# Altium PCB PCB1.PcbDoc (part 1 of 2) (continued)
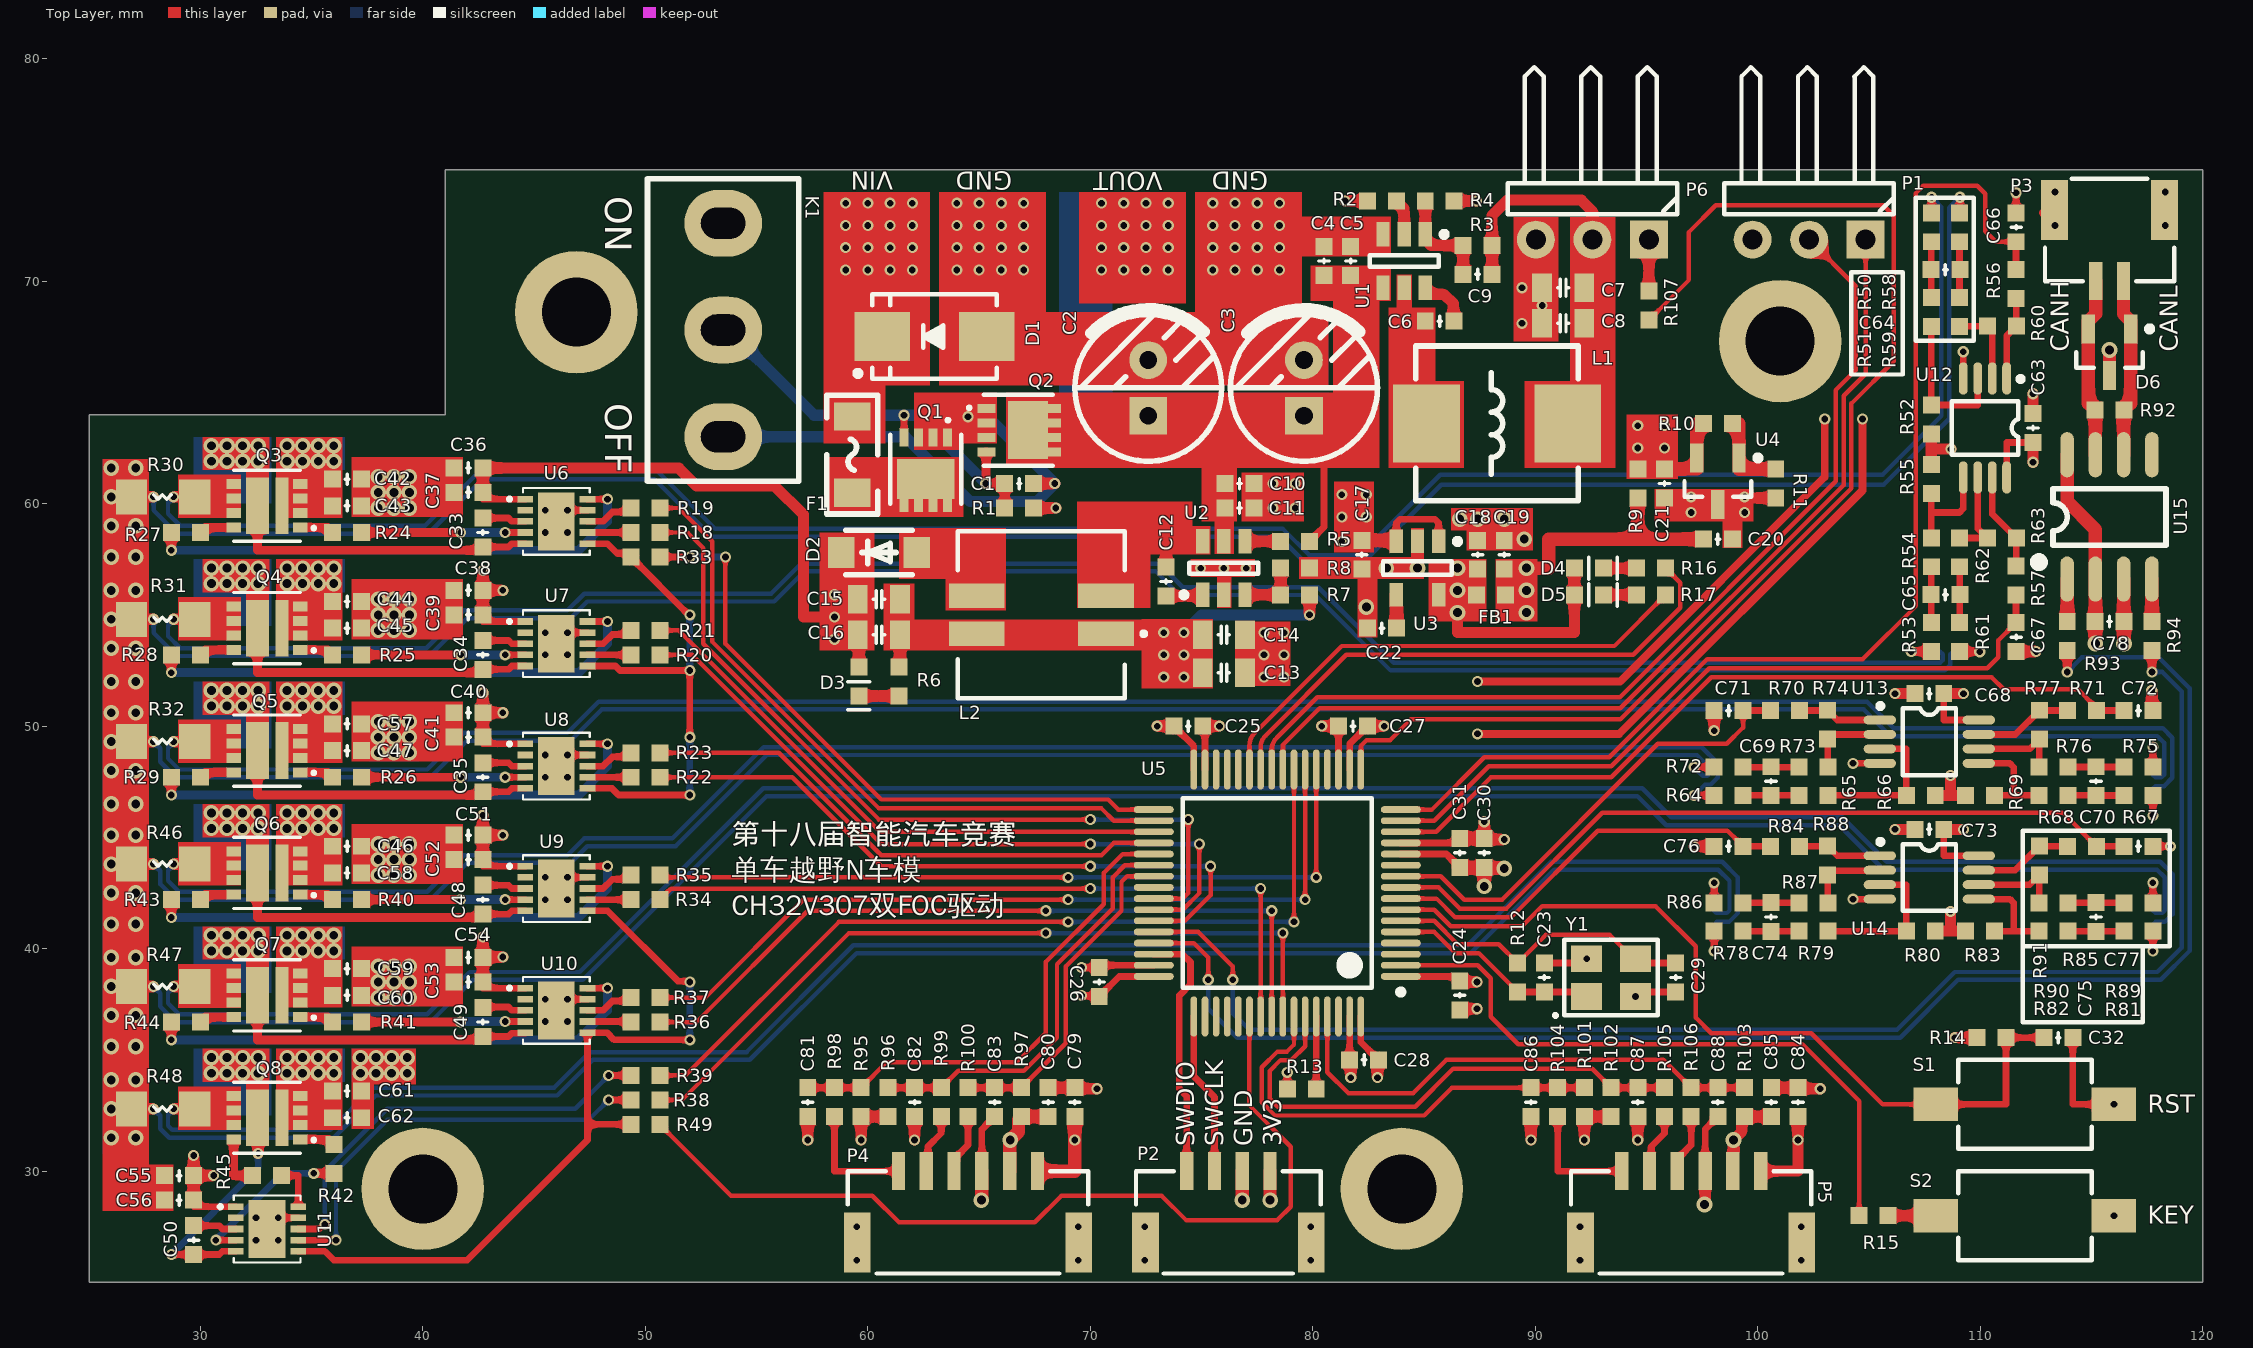
[diagram p0: Top Layer view]
## Components (designator, comment, footprint, x,y, rotation, side; value= is the part's Value field where it differs from the comment) (continued)
R3 "100K/1%" R0603_NS 87.4,71.6 r0 top
R4 "11K/1%" R0603_NS 85.7,73.6 r0 top
R5 "100K" R0603_NS 79.2,58.3 r0 top
R6 "1K" R0603_NS 61.4,52 r90 top
R7 "10.5K/1%" R0603_NS 79.2,55.9 r0 top
R8 "2K/1%" R0603_NS 79.2,57.1 r0 top
R9 "100R" R0603_NS 94.6,60.9 r270 top
R10 "4.12K/1%" R0603_NS 98.2,63.6 r0 top
R11 "12.4K/1%" R0603_NS 100.8,60.9 r90 top
R12 "1M" R0603_NS 89.2,38.7 r270 top
R13 "10K" R0603_NS 79.5,33.7 r180 top
R14 "10K" R0603_NS 110.5,36 r0 top
R15 "1K" R0603_NS 105.2,28 r180 top
R16 "1K" R0603_NS 95.2,57.1 r0 top
R17 "1K" R0603_NS 95.2,55.9 r0 top
R18 "100R" R0603_NS 50,58.7 r180 top
R19 "100R" R0603_NS 50,59.8 r180 top
R20 "100R" R0603_NS 50,53.2 r180 top
R21 "100R" R0603_NS 50,54.3 r180 top
R22 "100R" R0603_NS 50,47.7 r180 top
R23 "100R" R0603_NS 50,48.8 r180 top
R24 "4R7" R0603_NS 36.6,58.7 r180 top
R25 "4R7" R0603_NS 36.6,53.2 r180 top
R26 "4R7" R0603_NS 36.6,47.7 r180 top
R27 "4R7" R0603_NS 29.35,58.7 r0 top
R28 "4R7" R0603_NS 29.35,53.2 r0 top
R29 "4R7" R0603_NS 29.35,47.7 r0 top
R30 "5mΩ/1%" R1206_NS 28.3,60.3 r0 top value=15mΩ
R31 "5mΩ/1%" R1206_NS 28.3,54.8 r0 top value=15mΩ
R32 "5mΩ/1%" R1206_NS 28.3,49.3 r0 top value=15mΩ
R33 "100R" R0603_NS 50,57.6 r180 top
R34 "100R" R0603_NS 50,42.2 r180 top
R35 "100R" R0603_NS 50,43.3 r180 top
R36 "100R" R0603_NS 50,36.7 r180 top
R37 "100R" R0603_NS 50,37.8 r180 top
R38 "100R" R0603_NS 50,33.2 r180 top
R39 "100R" R0603_NS 50,34.3 r180 top
R40 "4R7" R0603_NS 36.6,42.2 r180 top
R41 "4R7" R0603_NS 36.6,36.7 r180 top
R42 "4R7" R0603_NS 36,30.55 r90 top
R43 "4R7" R0603_NS 29.35,42.2 r0 top
R44 "4R7" R0603_NS 29.35,36.7 r0 top
R45 "4R7" R0603_NS 33,29.8 r180 top
R46 "5mΩ/1%" R1206_NS 28.3,43.8 r0 top value=15mΩ
R47 "5mΩ/1%" R1206_NS 28.3,38.3 r0 top value=15mΩ
R48 "5mΩ/1%" R1206_NS 28.3,32.8 r0 top value=15mΩ
R49 "100R" R0603_NS 50,32.1 r180 top
R50 "1K/1%" R0603_NS 107.79,72.415 r270 top
R51 "1K/1%" R0603_NS 107.79,68.605 r270 top
R52 "100K/1%" R0603_NS 107.79,63.779 r270 top
R53 "1K/1%" R0603_NS 107.79,54 r90 top
R54 "1K/1%" R0603_NS 107.79,57.81 r90 top
R55 "100K/1%" R0603_NS 107.79,61.112 r90 top
R56 "100R" R0603_NS 111.6,69.875 r90 top
R57 "100R" R0603_NS 111.6,56.54 r270 top
R58 "1K/1%" R0603_NS 109.06,72.415 r270 top
R59 "1K/1%" R0603_NS 109.06,68.605 r270 top
R60 "100K/1%" R0603_NS 110.965,67.97 r0 top
R61 "1K/1%" R0603_NS 109.06,54 r90 top
R62 "1K/1%" R0603_NS 109.06,57.81 r90 top
R63 "100K/1%" R0603_NS 110.965,58.445 r0 top
R64 "1K/1%" R0603_NS 98.683,46.887 r0 top
R65 "1K/1%" R0603_NS 102.493,46.887 r0 top
R66 "100K/1%" R0603_NS 107.319,46.887 r0 top
R67 "1K/1%" R0603_NS 117.098,46.887 r180 top
R68 "1K/1%" R0603_NS 113.288,46.887 r180 top
R69 "100K/1%" R0603_NS 109.986,46.887 r180 top
R70 "100R" R0603_NS 101.223,50.697 r180 top
R71 "100R" R0603_NS 114.558,50.697 r0 top
R72 "1K/1%" R0603_NS 98.683,48.157 r0 top
R73 "1K/1%" R0603_NS 102.493,48.157 r0 top
R74 "100K/1%" R0603_NS 103.128,50.062 r90 top
R75 "1K/1%" R0603_NS 117.098,48.157 r180 top
R76 "1K/1%" R0603_NS 113.288,48.157 r180 top
R77 "100K/1%" R0603_NS 112.653,50.062 r90 top
R78 "1K/1%" R0603_NS 98.683,40.787 r0 top
R79 "1K/1%" R0603_NS 102.493,40.787 r0 top
R80 "100K/1%" R0603_NS 107.319,40.787 r0 top
R81 "1K/1%" R0603_NS 117.098,40.787 r180 top
R82 "1K/1%" R0603_NS 113.288,40.787 r180 top
R83 "100K/1%" R0603_NS 109.986,40.787 r180 top
R84 "100R" R0603_NS 101.223,44.597 r180 top
R85 "100R" R0603_NS 114.558,44.597 r0 top
R86 "1K/1%" R0603_NS 98.683,42.057 r0 top
R87 "1K/1%" R0603_NS 102.493,42.057 r0 top
R88 "100K/1%" R0603_NS 103.128,43.962 r90 top
R89 "1K/1%" R0603_NS 117.098,42.057 r180 top
R90 "1K/1%" R0603_NS 113.288,42.057 r180 top
R91 "100K/1%" R0603_NS 112.653,43.962 r90 top
R92 "120R" R0603_NS 115.8,64.2 r180 top
R93 "100R" R0603_NS 113.9,54.05 r90 top
R94 "100R" R0603_NS 117.7,54.05 r90 top
R95 "4.7K" R0603_NS 59.7,33.1 r270 top
R96 "4.7K" R0603_NS 60.9,33.1 r270 top
R97 "4.7K" R0603_NS 66.9,33.1 r270 top
R98 "100R" R0603_NS 58.5,33.1 r270 top
R99 "100R" R0603_NS 63.3,33.1 r270 top
R100 "100R" R0603_NS 64.5,33.1 r270 top
R101 "4.7K" R0603_NS 92.2,33.1 r270 top
R102 "4.7K" R0603_NS 93.4,33.1 r270 top
R103 "4.7K" R0603_NS 99.4,33.1 r270 top
R104 "100R" R0603_NS 91,33.1 r270 top
R105 "100R" R0603_NS 95.8,33.1 r270 top
R106 "100R" R0603_NS 97,33.1 r270 top
R107 "100R" R0603_NS 95.1,68.9 r90 top
S1 "TS-1101-C-R" TS-1101 112,33 r180 top
S2 "TS-1101-C-R" TS-1101 112,28 r180 top
U1 "SY8105IADC" SOT23-6N 84.1,70.9 r270 top
U2 "JW5026" SOT23-6N 76,57.1 r90 top
U3 "RT9193" SOT23-5N 84.7,57.1 r270 top
U4 "TLV431A" SOT23-3N 98.2,61 r270 top
U5 "CH32V307RCT6" LQFP64_N 78.4,42.5 r180 top locked
U6 "DGD05473FN-7" W-DFN3030-10_DGD05473 46,59.2 r270 top
U7 "DGD05473FN-7" W-DFN3030-10_DGD05473 46,53.7 r270 top
U8 "DGD05473FN-7" W-DFN3030-10_DGD05473 46,48.2 r270 top
U9 "DGD05473FN-7" W-DFN3030-10_DGD05473 46,42.7 r270 top
U10 "DGD05473FN-7" W-DFN3030-10_DGD05473 46,37.225 r270 top
U11 "DGD05473FN-7" W-DFN3030-10_DGD05473 33,27.4 r270 top
U12 "RS8552" MSOP8 110.203,63.398 r270 top
U13 "RS8552" MSOP8 107.7,49.3 r0 top
U14 "RS8552" MSOP8 107.7,43.2 r0 top
U15 "TJA1050" SOP8_N 115.8,59.4 r90 top
Y1 "8MHz" SMD-3225-4P 93.4,38.7 r0 top

## Footprints (in the part's own frame and the unit in brackets; to place one, negate y for a bottom-side part, rotate by r counter-clockwise, add the part's x,y. Pads: shape width x height; smd on the part's side, far side on the other; paste and mask are expansions set on the pad)
A1257WR-S-2P [mm]
  rect 1.2x2.7 smd: 0(-2.475,-3.2) 0(2.475,-3.2)
  rect 0.6x1.7 smd: 1(-0.625,0) 2(0.625,0)
  silkscreen extent -2.9,-4.6 2.9,0, body extent -2.88,-4.43 2.88,0.13, height 4.18
A1257WR-S-4P [mm]
  rect 1.2x2.7 smd: 0(-3.725,-3.2) 0(3.725,-3.2)
  rect 0.6x1.7 smd: 1(-1.875,0) 2(-0.625,0) 3(0.625,0) 4(1.875,0)
  silkscreen extent -4.15,-4.6 4.15,0, body extent -4.13,-4.43 4.13,0.13, height 4.18
A1257WR-S-6P [mm]
  rect 1.2x2.7 smd: 0(-4.975,-3.2) 0(4.975,-3.2)
  rect 0.6x1.7 smd: 1(-3.125,0) 2(-1.875,0) 3(-0.625,0) 4(0.625,0) 5(1.875,0) 6(3.125,0)
  silkscreen extent -5.4,-4.6 5.4,0, body extent -5.38,-4.43 5.38,0.13, height 4.18
C0603_NS [mil] "贴片MLCC电容-无丝印"
  rect 30x30 smd: 1(-25.59,0) 2(25.59,0)
  silkscreen extent -3,-9 3,9, body extent -31,-16 32,16, height 33
C0805_NS [mil] "贴片MLCC电容-无丝印"
  rect 35x50 smd: 1(-37.4,0) 2(37.4,0)
  silkscreen extent -10,-15 10,15, body extent -39,-24 39,24, height 22
"CT 2.5*6.3*7 - R" [mm] "脚距2.5mm , 直径6.3mm , 高7mm"
  rect 1.7x1.7 hole 0.8: 1(1.25,0)
  round 1.7 hole 0.8: 2(-1.25,0)
  silkscreen extent -3.56,-3.3 3.3,3.3, body extent -3.15,-3.15 3.15,3.15, height 7.05
FB0603_NS [mil] "0603贴片磁珠-无丝印"
  rect 30x30 smd: 1(-25.59,0) 2(25.59,0)
  body extent -31,-16 31,16, height 31
"FU 1206" [mil] "贴片保险丝"
  rect 50x65 smd: 1(-67.5,0) 2(67.5,0)
  silkscreen extent -105,-45 105,45, body extent -63,-32 63,32, height 34
HDR2.54-WI-3P [mm] "弯脚排针，3脚"
  rect 1.7x1.7 hole 0.9: 1(-2.54,0)
  round 1.7 hole 0.9: 2(0,0) 3(2.54,0)
  silkscreen extent -3.81,-7.76 3.81,-1.14, body extent -3.81,-7.77 3.81,1.27, height 4.9
L-SMD-0630 [mm] "一体化成型电感"
  rect 3x3.5 smd: 1(-3.175,0) 2(3.175,0)
  silkscreen extent -3.66,-3.48 3.66,3.48, body extent -3.47,-3.3 3.48,3.3
LED0603_NS [mil]
  rect 30x30 smd: 1(-25.59,0) 2(25.59,0)
  silkscreen extent 0,-20 50,20, body extent -32,-16 31,16, height 18
LQFP64_N [mm] "Thin QFP, 64-Leads, Body 10x10mm, Pitch 0.5mm, IPC Medium Density封装库来自淘宝 ID：黄晶宝石"
  oval 1.8x0.3 smd: 1(-5.55,3.75) 2(-5.55,3.25) 3(-5.55,2.75) 4(-5.55,2.25) 5(-5.55,1.75) 6(-5.55,1.25) 7(-5.55,0.75) 8(-5.55,0.25) 9(-5.55,-0.25) 10(-5.55,-0.75) 11(-5.55,-1.25) 12(-5.55,-1.75) 13(-5.55,-2.25) 14(-5.55,-2.75) 15(-5.55,-3.25) 16(-5.55,-3.75) 33(5.55,-3.75) 34(5.55,-3.25) 35(5.55,-2.75) 36(5.55,-2.25) 37(5.55,-1.75) 38(5.55,-1.25) 39(5.55,-0.75) 40(5.55,-0.25) 41(5.55,0.25) 42(5.55,0.75) 43(5.55,1.25) 44(5.55,1.75) 45(5.55,2.25) 46(5.55,2.75) 47(5.55,3.25) 48(5.55,3.75)
  oval 0.3x1.8 smd: 17(-3.75,-5.55) 18(-3.25,-5.55) 19(-2.75,-5.55) 20(-2.25,-5.55) 21(-1.75,-5.55) 22(-1.25,-5.55) 23(-0.75,-5.55) 24(-0.25,-5.55) 25(0.25,-5.55) 26(0.75,-5.55) 27(1.25,-5.55) 28(1.75,-5.55) 29(2.25,-5.55) 30(2.75,-5.55) 31(3.25,-5.55) 32(3.75,-5.55) 49(3.75,5.55) 50(3.25,5.55) 51(2.75,5.55) 52(2.25,5.55) 53(1.75,5.55) 54(1.25,5.55) 55(0.75,5.55) 56(0.25,5.55) 57(-0.25,5.55) 58(-0.75,5.55) 59(-1.25,5.55) 60(-1.75,5.55) 61(-2.25,5.55) 62(-2.75,5.55) 63(-3.25,5.55) 64(-3.75,5.55)
  silkscreen extent -5.68,-4.25 4.25,4.57, body extent -6,-6 6,6, height 1.45
MSD7342 [mm]
  rect 1.1x2.5 smd: 1(-0.85,-2.9) 2(0.85,-2.9) 3(0.85,2.9) 4(-0.85,2.9)
  silkscreen extent -3.75,-4.7 3.75,3.75, body extent -3.72,-3.72 3.72,3.72, height 4.6
MSOP8 [mm]
  oval 1.45x0.4 smd: 1(-2.225,0.975) 2(-2.225,0.325) 3(-2.225,-0.325) 4(-2.225,-0.975) 5(2.225,-0.975) 6(2.225,-0.325) 7(2.225,0.325) 8(2.225,0.975)
  silkscreen extent -2.3,-1.5 1.2,1.7, body extent -2.58,-1.6 2.58,1.6, height 1.01
POWERPAIR_3X3 [mm]
  rect 0.45x0.65 smd: D1(-0.325,-1.5) D1(0.325,-1.5) D1(0.975,-1.5) G1(-0.975,-1.5) G2(-0.975,1.5) S2(-0.325,1.5) S2(0.325,1.5) S2(0.975,1.5)
  rect 2.55x0.566 smd: D1(0,-0.672)
  rect 2.55x1.044 smd: S1/D2(0,0.433)
  silkscreen extent -1.6,-2.15 1.6,1.5, body extent -1.5,-1.56 1.5,1.56, height 0.95
PowerPAK1212-8 [mm]
  rect 0.4x0.8 smd: D(-0.975,1.47) D(-0.325,1.47) D(0.325,1.47) D(0.975,1.47) G(0.975,-1.47) S(-0.975,-1.47) S(-0.325,-1.47) S(0.325,-1.47)
  rect 2.6x1.8 smd: D(0,0.4)
  silkscreen extent -1.6,-2.3 1.6,1.5, body extent -1.65,-1.65 1.65,1.65, height 1.04
R0603_NS [mil] "1/10W贴片电阻-无丝印"
  rect 30x30 smd: 1(-25.59,0) 2(25.59,0)
  body extent -31,-16 32,16, height 16
R1206_NS [mil] "1/4W贴片电阻-无丝印"
  rect 55x62 smd: 1(-55.12,0) 2(57.09,0)
  silkscreen extent -16,-4 16,4, body extent -63,-31 63,32, height 22
SMB [mm] "4.7*3.9*2.2mm(长宽高，不包括引脚）联系卖家 免费查找封装"
  rect 2.5x2.2 smd: 1(2.35,0) 2(-2.35,0)
  silkscreen extent -3.57,-1.9 2.8,1.9, body extent -2.65,-1.8 2.65,1.8, height 2.35
SMD-3225-4P [mm]
  rect 1.4x1.2 smd: 1(-1.1,-0.85) 2(1.1,-0.85) 3(1.1,0.85) 4(-1.1,0.85)
  silkscreen extent -2.51,-1.71 2.1,1.7, body extent -1.6,-1.25 1.6,1.25, height 0.81
SOD-123 [mm]
  rect 1.2x1.4 smd: 1(-1.7,0) 2(1.7,0)
  silkscreen extent -1.5,-1 1.5,1, body extent -1.95,-0.9 1.95,0.9, height 1.18
SOP8_N [mil] "5*6*1.8mm（长宽高）"
  oval 80x24 smd: 1(-110,75) 2(-110,25) 3(-110,-25) 4(-110,-75) 5(110,-75) 6(110,-25) 7(110,25) 8(110,75)
  silkscreen extent -86,-100 50,131, body extent -118,-98 118,98, height 75
SOT23-3N [mm] "SOT23, 3-Leads, Body 2.9x1.3mm, Pitch 0.95mm, Lead Span 2.4mm, IPC Medium Density"
  rect 1.3x0.6 smd: 1(-1.05,0.95) 2(-1.05,-0.95) 3(1.05,0)
  silkscreen extent -1.17,-1.5 0.7,1.93, body extent -1.2,-1.5 1.2,1.5, height 1.05
SOT23-5N [mm] "SOT23, 5-Leads, Body 2.9x1.6mm, Pitch 0.95mm, IPC Medium Density                联系卖家 免费查找封装"
  rect 1.05x0.6 smd: 1(-1.2,0.95) 2(-1.2,0) 3(-1.2,-0.95) 4(1.2,-0.95) 5(1.2,0.95)
  silkscreen extent -1.32,-1.55 0.3,1.93, body extent -1.4,-1.5 1.4,1.5, height 1.15
SOT23-6N [mm] "SOT-23, 6-Leads, Body 2.90x1.60mm, Pitch 0.95mm, IPC Medium Density"
  rect 1.1x0.6 smd: 1(-1.2,0.95) 2(-1.2,0) 3(-1.2,-0.95) 4(1.2,-0.95) 5(1.2,0) 6(1.2,0.95)
  silkscreen extent -1.32,-1.55 0.25,1.93, body extent -1.4,-1.5 1.4,1.5, height 1.15
SS-12D10 [mm]
  oval 3x3.5 hole 1.4 slot 2 at 90 deg: 1(0,0) 2(-4.8,0) 3(4.8,0)
  silkscreen extent -6.8,-3.4 6.8,3.4, body extent -6.5,-3.4 6.5,3.4, height 13.4
TS-1101 [mm]
  rect 2x1.5 smd: 1(-4,0) 2(4,0)
  silkscreen extent -3,-2 3,2, body extent -4,-1.8 4,1.8, height 2.5
W-DFN3030-10_DGD05473 [mm]
  rect 0.3x0.7 smd mask+0.051: 1(-1,-1.4) 2(-0.5,-1.4) 3(0,-1.4) 4(0.5,-1.4) 5(1,-1.4) 6(1,1.4) 7(0.5,1.4) 8(0,1.4) 9(-0.5,1.4) 10(-1,1.4)
  rect 2.6x1.65 smd mask+0.051: 11(0,0)
  silkscreen extent -1.5,-2.11 1.5,1.5, body extent -1.5,-1.55 1.5,1.55, height 0.8

## Part data
C1 C4 C5 C6 C7 C8 C9 C10 C11 C12 C13 C14 C15 C16 C17 C18 C19 C20 C21 C22 C23 C24 C25 C26 C27 C28 C29 C30 C31 C32 C33 C34 C35 C36 C37 C38 C39 C40 C41 C42 C43 C44 C45 C46 C47 C48 C49 C50 C51 C52 C53 C54 C55 C56 C57 C58 C59 C60 C61 C62 C63 C64 C65 C66 C67 C68 C69 C70 C71 C72 C73 C74 C75 C76 C77 C78 C79 C80 C81 C82 C83 C84 C85 C86 C87 C88: library part Cap, "Capacitor"
  C23 C29 C33 C34 C35 C36 C37 C38 C39 C40 C41 C48 C49 C50 C51 C52 C53 C54 C55 C56: LatestRevisionDate=17-Jul-2002, LatestRevisionNote="Re-released for DXP Platform.", PackageDescription="Radial Cap, Thru-Hole; 2 Leads; 0.3 in Pin Spacing", PackageReference=RAD-0.3, Published=8-Jun-2000, Publisher="Altium Limited"
C2 C3: library part "Cap Pol2", "Polarized Capacitor (Axial)", LatestRevisionDate=17-Jul-2002, LatestRevisionNote="Re-released for DXP Platform.", PackageDescription="Polarized Capacitor; 2 Leads", Published=8-Jun-2000, Publisher="Altium Limited"
D1: library part TVS, "双向瞬态抑制二极管"
D2: library part "D Schottky", "Schottky Diode", Code_JEDEC=DO-214-AA, LatestRevisionDate=17-Jul-2002, LatestRevisionNote="Re-released for DXP Platform.", PackageDescription="DO-214-AA/SMB; 2 C-Bend Leads; Body 5.3 x 3.6 mm, inc. leads (LxW)", PackageReference=SMB, Published=8-Jun-2000, Publisher="Altium Limited"
D3 D4 D5: library part LED0, "Typical INFRARED GaAs LED"
F1: library part "Fuse 1", "Fuse", LatestRevisionDate=17-Jul-2002, LatestRevisionNote="Re-released for DXP Platform.", PackageDescription="Thru-Hole; 2 Leads", PackageReference=PIN-W2/E2.8, Published=8-Jun-2000, Publisher="Altium Limited"
FB1: library part "Ferrite Bead"
K1: library part SW2
L1: library part "Inductor Iron", "Magnetic-Core Inductor"
L2: library part "Coupled Inductor"
P2: library part Header4
P3: library part Header2
P4 P5: library part Header6
Q1 Q2: library part P-MOS, "P沟道场效应管"
R1 R2 R3 R4 R5 R6 R7 R8 R9 R10 R11 R12 R13 R14 R15 R16 R17 R18 R19 R20 R21 R22 R23 R24 R25 R26 R27 R28 R29 R33 R34 R35 R36 R37 R38 R39 R40 R41 R42 R43 R44 R45 R49 R50 R51 R52 R53 R54 R55 R56 R57 R58 R59 R60 R61 R62 R63 R64 R65 R66 R67 R68 R69 R70 R71 R72 R73 R74 R75 R76 R77 R78 R79 R80 R81 R82 R83 R84 R85 R86 R87 R88 R89 R90 R91 R92 R93 R94 R95 R96 R97 R98 R99 R100 R101 R102 R103 R104 R105 R106 R107: library part Res1, "Resistor"
R30 R31 R32 R46 R47 R48: library part Res2, "Resistor", LatestRevisionDate=17-Jul-2002, LatestRevisionNote="Re-released for DXP Platform.", PackageDescription="Axial Device, Thru-Hole; 2 Leads; 0.4 in Pin Spacing", PackageReference=AXIAL-0.4, Published=8-Jun-2000, Publisher="Altium Limited"
S1 S2: library part SW
U1: library part SY8105
U4: library part TLV431DBZ
U6 U7 U8 U9 U10 U11: library part DGD05473
U12 U13 U14: library part AD8606
Y1: library part XTAL

## Free pads (board coordinates)
  round 5.5 hole 3.1: 0(40,29.2) 0(46.9,68.6) 0(84,29.2) 0(101,67.3)

## Via types
v1: diameter 0.5, hole 0.3, Top Layer to Bottom Layer, tented both sides, 292 vias
v2: diameter 0.7, hole 0.4, Top Layer to Bottom Layer, tented both sides, 213 vias

## Nets (pads, with @x,y where several pads share a name; then routed paths per layer and width w, separated by ;. In a path a pad name is that pad's centre, name@x,y a point inside that pad or via, vN(x,y) a via of type N, cw(c..) or ccw(c..) an arc to the next point about the centre after c; other vN are vias at no path point)
ADC_ISEN1_U: C66.2 R56.2 U5.16 | length 53.4
  Top Layer w0.2: U5.16@83.95,46.25 85.35,46.25 87.7,48.6 93.315,48.6 97.715,53 104.7,53 107.1,55.4 107.1,73.953 107.423,74.276 109.862,74.276 110.217,73.921 110.217,72.244 110.696,71.765 C66.2@111.6,71.765
  Top Layer w0.3: R56.2@111.6,70.525 C66.2@111.6,71.765
ADC_ISEN1_V: C67.2 R57.2 U5.15 | length 33
  Top Layer w0.2: U5.15@83.95,45.75 85.45,45.75 87.9,48.2 93.41,48.2 97.81,52.6 110.3,52.6 110.8,53.1 110.8,53.85 C67.2@111.6,54.65
  Top Layer w0.3: C67.2@111.6,54.65 R57.2@111.6,55.89
ADC_ISEN1_W: C72.2 R71.2 U5.14 | length 35.9
  Top Layer w0.2: U5.14@83.95,45.25 85.55,45.25 88,47.7 93.405,47.7 97.905,52.2 110.5,52.2 111.041,51.659 114.386,51.659 R71.2@115.208,50.838
  Top Layer w0.3: R71.2@115.208,50.697 C72.2@116.448,50.697
ADC_ISEN2_U: C71.2 R70.2 U5.10 | length 21
  Top Layer w0.2: U5.10@83.95,43.25 85.75,43.25 86.8,42.2 88.5,42.2 95.5,49.2 98.6,49.2 99.333,49.933 C71.2@99.333,50.697
  Top Layer w0.3: C71.2@99.333,50.697 R70.2@100.573,50.697
ADC_ISEN2_V: C77.2 R85.2 U5.9 | length 35.3
  Top Layer w0.2: U5.9@83.95,42.75 85.65,42.75 86.6,41.8 88.7,41.8 93,46.1 113.705,46.1 R85.2@115.208,44.597
  Top Layer w0.3: R85.2@115.208,44.597 C77.2@116.448,44.597
ADC_ISEN2_W: C76.2 R84.2 U5.8 | length 18.9
  Top Layer w0.2: U5.8@83.95,42.25 85.55,42.25 86.4,41.4 88.9,41.4 92.8,45.3 98.63,45.3 C76.2@99.333,44.597
  Top Layer w0.3: C76.2@99.333,44.597 R84.2@100.573,44.597
AVCC_3V3: C19.2 C20.2 C30.2 C31.2 C63.2 C68.2 C73.2 FB1.2 R9.2 U5.13 U12.8 U13.8 U14.8 | length 27.5
  Top Layer w0.3: U5.13@83.95,44.75 86.4,44.75 C31.2@86.6,44.949 ; C73.2@108.35,45.359 108.35,44.175 U14.8@109.925,44.175 ; C68.2@108.35,51.459 108.35,50.275 U13.8@109.925,50.275 ; U12.8@111.178,61.173 111.178,62.748 C63.2@112.362,62.748
  Top Layer w0.5: v1(87.7,45.7) C30.2@87.7,44.949 87.75,44.9 v1(88.6,44.9) ; C73.2@108.35,45.359 v1(109.239,45.359) ; C68.2@108.35,51.459 v1(109.239,51.459) ; v1(112.362,61.859) C63.2@112.362,62.748
  Top Layer w0.6: C31.2@86.6,44.949 C30.2@87.7,44.949 ; v2(89.6,57.1) 90.6,57.1 90.6,58.4 94.6,58.4 ; R9.2@94.6,60.25 94.6,58.4 ; C20.2@97.55,58.4 94.6,58.4
  other v2: 89.6,55.1 89.6,56.1
BOOT0: R13.1 U5.60 | length 2.9
  Top Layer w0.3: R13.1@80.15,34 U5.60@80.15,36.95
CAN1_RX: R94.1 U5.44 | length 65
  Top Layer w0.2: U5.44@72.85,40.75 74.85,40.75 76.4,39.2 v1(76.4,38.6)
  Top Layer w0.381: R94.1@117.7,53.4 117.705,53.395 117.705,52.437 v1(117.71,52.432)
  Bottom Layer w0.2: v1(76.4,38.6) 76.4,37.1 77.15,36.35 106.25,36.35 108.85,38.95 117.95,38.95 119.046,40.046 119.046,51.554 118.168,52.432 v1(117.71,52.432)
CAN1_TX: R93.1 U5.45 | length 70.4
  Top Layer w0.2: U5.45@72.85,40.25 74.65,40.25 75.3,39.6 v1(75.3,38.6)
  Top Layer w0.381: v1(113.9,52.432) R93.1@113.9,53.4
  Bottom Layer w0.2: v1(75.3,38.6) 75.3,37.3 76.6,36 106.395,36 108.995,38.6 118.1,38.6 119.396,39.896 119.396,51.704 118.015,53.085 114.553,53.085 v1(113.9,52.432)
CAN_RX: R94.2 U15.4 | length 1.9
  Top Layer w0.6: R94.2@117.7,54.7 117.703,54.703 117.703,56.604 U15.4@117.705,56.606
CAN_TX: R93.2 U15.1 | length 1.9
  Top Layer w0.6: U15.1@113.895,56.606 113.895,55.892 113.9,55.887 R93.2@113.9,54.7
CANH: D6.2 P3.2 R92.2 U15.7 | length 8
  Top Layer w0.6: R92.2@115.15,64.2 114.85,64.5 D6.2@114.85,67.85 114.85,68.2 115.175,68.525 P3.2@115.175,70 ; U15.7@115.165,62.194 R92.2@115.165,64.185
CANL: D6.1 P3.1 R92.1 U15.6 | length 8
  Top Layer w0.6: P3.1@116.425,70 116.425,68.525 116.75,68.2 D6.1@116.75,67.85 116.75,64.5 R92.1@116.45,64.2 ; U15.6@116.435,62.194 R92.1@116.435,64.185
EN1: R33.2 U6.6 U7.6 U8.6 | length 23.2
  Top Layer w0.3: U8.6@47.4,47.2 48.5,47.2 48.8,46.9 v1(52,46.9) ; U7.6@47.4,52.7 48.664,52.7 48.864,52.5 v1(52,52.5) v1(52,49.5) ; U6.6@47.4,58.2 48.291,58.2 48.721,57.77 R33.2@49.18,57.77 ; R33.2@49.35,57.6 51.95,55 v1(52,55)
  Bottom Layer w0.3: v1(52,46.9) v1(52,49.5) ; v1(52,52.5) v1(52,55)
EN2: R49.2 U9.6 U10.6 U11.6 | length 35.4
  Top Layer w0.3: U11.6@34.4,26.4 35.6,26.4 36,26 42,26 47.4,31.4 47.4,32.1 ; U9.6@47.4,41.7 48.3,41.7 51.462,38.538 51.962,38.538 v1(52,38.5) ; R49.2@49.35,32.1 47.4,32.1 ; v1(52,35.9) 48.6,35.9 48.275,36.225 U10.6@47.4,36.225 47.4,32.1
  Bottom Layer w0.3: v1(52,35.9) v1(52,38.5)
EN_DRV1: R33.1 U5.33 | length 29.2
  Top Layer w0.2: v1(53.6,57.6) 53.6,53.7 60.6,46.7 70.8,46.7 71.25,46.25 U5.33@72.85,46.25
  Top Layer w0.3: R33.1@50.65,57.6 v1(52,57.6)
  Bottom Layer w0.3: v1(52,57.6) v1(53.6,57.6)
EN_DRV2: R49.1 U5.54 | length 40.7
  Top Layer w0.2: R49.1@50.65,32.1 53.85,28.9 60.2,28.9 61.4,27.7 67.5,27.7 68.7,28.9 73.2,28.9 74.3,27.8 78.4,27.8 79,28.4 79,31.1 77.15,32.95 U5.54@77.15,36.95
GND: C2.2 C3.2 C4.1 C5.1 C7.1 C8.1 C10.1 C11.1 C13.1 C14.1 C17.1 C18.1 C19.1 C20.1 C21.1 C22.1 C23.1 C24.1 C25.1 C26.1 C27.1 C28.1 C29.1 C30.1 C31.1 C32.1 C36.2 C37.2 C38.2 C39.2 C40.2 C41.2 C42.1 C43.1 C44.1 C45.1 C46.1 C47.1 C51.2 C52.2 C53.2 C54.2 C55.2 C56.2 C57.1 C58.1 C59.1 C60.1 C61.1 C62.1 C63.1 C66.1 C67.1 C68.1 C71.1 C72.1 C73.1 C76.1 C77.1 C78.2 C79.1 C80.1 C81.1 C82.1 C83.1 C84.1 C85.1 C86.1 C87.1 C88.1 D1.1 D6.3 P1.3 P2.0 P2.3 P3.0 P4.0 P4.4 P5.0 P5.4 P6.3 R1.2 R4.2 R8.2 R11.1 R13.2 R30.1 R31.1 R32.1 R46.1 R47.1 R48.1 R58.1 R61.1 R72.1 R75.1 R86.1 R89.1 S1.1 S2.1 U1.3 U2.2 U3.2 U4.3 U5.12 U5.18 U5.31 U5.47 U5.63 U6.9 U6.11 U7.9 U7.11 U8.9 U8.11 U9.9 U9.11 U10.9 U10.11 U11.9 U11.11 U12.4 U13.4 U14.4 U15.2 U15.8 Y1.2 Y1.4 | length 678.1
  Top Layer w0.3: U11.11@33,27.4 v1(33.501,27.9) U11.9@34.4,27.9 ; U10.11@46,37.225 46.5,37.725 U10.9@47.4,37.725 ; U9.11@46,42.7 v1(46.501,43.2) U9.9@47.4,43.2 ; U8.11@46,48.2 v1(46.501,48.7) U8.9@47.4,48.7 ; U7.11@46,53.7 v1(46.501,54.2) U7.9@47.4,54.2 ; U6.11@46,59.2 v1(46.501,59.7) U6.9@47.4,59.7 ; P4.4@65.125,30 65.125,31.875 C83.1@65.7,32.45 ; v1(69.6,39.15) C26.1@70.4,39.15 70.5,39.25 U5.47@72.85,39.25 ; C25.1@75.05,50 75.15,49.9 U5.31@75.15,48.05 ; R13.2@78.85,33.7 v1(78.85,34.441) ; C28.1@81.65,35 U5.63@81.65,36.95 ; U5.18@81.65,48.05 81.65,49.2 C27.1@82.45,50 ; U5.12@83.95,44.25 86,44.25 C31.1@86.6,43.649 ; C23.1@90.4,39.35 92.1,39.35 v1(92.3,39.55) ; v1(94.5,37.85) 94.7,38.05 C29.1@96.3,38.05 ; v1(97.133,48.157) R72.1@98.033,48.157 ; P5.4@97.625,30 97.625,31.875 C88.1@98.2,32.45 ; R86.1@98.033,42.057 v1(98.033,42.957) ; v1(104.275,42.225) U14.4@105.475,42.225 ; v1(104.275,48.325) U13.4@105.475,48.325 ; R58.1@109.074,73.079 v1(109.074,73.768) ; U12.4@109.228,65.623 v1(109.228,66.823) ; C66.1@111.6,73.065 v1(111.6,73.965) ; C32.1@114.15,36 114.15,33 v1(116,33) ; R89.1@117.748,42.057 v1(117.748,42.957) ; C77.1@117.748,44.597 v1(118.535,44.597) ; R75.1@117.748,48.157 v1(117.748,49.057)
  Top Layer w0.35: v1(87.4,49.65) 93.764,49.65 104.7,60.586 v1(104.7,63.8) ; v1(87.4,52) 93.8,52 103,61.2 v1(103,63.8)
  Top Layer w0.381: R61.1@109.06,53.35 109.064,53.346 109.964,53.346 v1(109.967,53.343) ; P3.0@112.816,73.065 113.35,72.531 v1(113.35,72.5)
  Top Layer w0.5: R48.1@26.9,32.8 v1(27.9,32.8) ; R47.1@26.9,38.3 v1(27.9,38.3) ; R46.1@26.9,43.8 v1(27.9,43.8) ; R32.1@26.9,49.3 v1(27.9,49.3) ; R31.1@26.9,54.8 v1(27.9,54.8) ; R30.1@26.9,60.3 v1(27.9,60.3) ; v1(57.3,31.4) C81.1@57.3,32.45 ; v1(62.1,31.4) C82.1@62.1,32.45 ; R1.2@67.45,59.8 v1(68.45,59.8) ; C80.1@68.1,33.75 C79.1@69.3,33.75 69.35,33.7 v1(70.3,33.7) ; C25.1@75.05,50 v1(75.8,50) ; v1@78.7,52.15 v1(78.7,52.2) ; C28.1@81.65,35 81.7,34.95 v1(81.7,34.2) ; C27.1@82.45,50 v1(83.2,50) ; R4.2@86.35,73.6 v1(87.35,73.6) ; C24.1@86.6,37.349 86.65,37.3 v1(87.373,37.3) ; v1(89.8,31.4) C86.1@89.8,32.45 ; v1(94.6,31.4) C87.1@94.6,32.45 ; v1(97.133,44.597) C76.1@98.033,44.597 ; v2(97.6,28.5) 97.625,28.5 P5.4@97.625,30 ; v1(98.033,49.797) C71.1@98.033,50.697 ; U4.3@98.2,59.95 98.2,60.25 R11.1@100.8,60.25 ; C85.1@100.6,33.75 C84.1@101.8,33.75 101.85,33.7 v1(102.8,33.7) ; v1(106.161,45.359) C73.1@107.05,45.359 ; v1(106.161,51.459) C68.1@107.05,51.459 ; C67.1@111.6,53.35 v1(112.5,53.35) ; C63.1@112.362,64.048 v1(112.362,64.937) ; v1(117.7,51.6) 117.7,50.697 C72.1@117.748,50.697
  Top Layer w0.6: v2(65.1,28.7) 65.1,28.727 65.125,28.752 P4.4@65.125,30 ; v2(76.825,28.7) P2.3@76.825,30 ; C31.1@86.6,43.649 86.63,43.619 C30.1@87.7,43.619 ; v2(87.7,42.8) C30.1@87.7,43.619 ; C30.1@87.7,43.649 C30.1@87.7,43.619 ; v2(88.6,43.6) 88.581,43.619 C30.1@87.7,43.619 ; U15.8@113.895,62.194 113.895,60.105 115.165,58.835 U15.2@115.165,56.606 115.163,56.604 v2(115.163,53.713) ; D6.3@115.8,65.75 v2(115.8,66.9)
  Bottom Layer w0.2: v1(27.9,32.8) 28.2,32.5 28.2,31.9 28.6,31.5 35.995,31.5 37.895,33.4 46.045,33.4 47.645,35 54.695,35 59.495,39.8 87.095,39.8 90.845,43.55 98.218,43.55 98.722,43.045 98.722,41.717 98.605,41.6 98.117,41.6 98,41.717 98,42.957 v1(98.033,42.957) ; v1(27.9,38.3) 28.2,38 28.2,37.4 28.9,36.7 40.345,36.7 42.245,38.6 47.195,38.6 55.445,46.85 94.584,46.85 95.884,45.55 103.65,45.55 105.65,43.55 117.933,43.55 118.281,43.202 118.281,41.717 118.164,41.6 117.865,41.6 117.748,41.717 v1(117.748,42.957) ; v1(27.9,43.8) 28.2,43.5 28.2,42.9 28.9,42.2 40.345,42.2 41.995,43.85 46.645,43.85 47.395,44.6 51.36,44.6 55.46,48.7 97.262,48.7 97.84,48.122 97.84,47.885 97.723,47.768 97.522,47.768 v1(97.133,48.157) ; v1(27.9,49.3) 28.2,49 28.2,48.4 28.9,47.7 40.345,47.7 41.995,49.35 46.645,49.35 48.045,50.75 104.755,50.75 105.955,49.55 117.949,49.55 118.25,49.25 118.25,47.817 118.132,47.7 117.865,47.7 117.748,47.817 v1(117.748,49.057) ; v1(27.9,54.8) 27.9,54.2 28.95,53.15 40.295,53.15 41.995,54.85 46.645,54.85 47.395,55.6 55.795,55.6 57.145,56.95 72.946,56.95 74.004,55.892 80.1,55.892 83.492,52.5 108.4,52.5 108.65,52.75 108.65,53.226 108.767,53.343 v1(109.967,53.343) ; v1(27.9,60.3) 27.9,59.7 28.95,58.65 40.245,58.65 42.695,61.1 50.405,61.1 52.994,58.511 78.484,58.511 79.661,57.334 82.252,57.334 85.767,60.85 105.645,60.85 108.6,63.805 108.6,73.294 v1(109.074,73.768)
  other v1: 59.5,26 69.45,26 72.45,26 79.9,26 92,26 101.95,26 32.501,26.9 33.501,26.9 59.5,27.5 69.45,27.5 72.45,27.5 79.9,27.5 92,27.5 101.95,27.5 32.501,27.9 116,28 45.501,36.725 46.501,36.725 45.501,37.725 46.501,37.725 45.501,42.2 46.501,42.2 45.501,43.2 45.501,47.7 46.501,47.7 45.501,48.7 77.8,52.2 45.501,53.2 46.501,53.2 77.8,53.2 78.7,53.2 45.501,54.2 77.8,54.2 78.7,54.2 74.956,57.098 76,57.1 77,57.1 45.501,58.7 46.501,58.7 97,59.6 99.4,59.6 45.501,59.7 78.2,59.8 79.2,59.8 97,60.3 99.4,60.3 78.2,60.9 79.2,60.9 89.4,68.1 90.3,68.9 89.4,69.7 64,70.5 65,70.5 66,70.5 67,70.5 75.5,70.5 76.5,70.5 77.5,70.5 78.5,70.5 64,71.5 65,71.5 66,71.5 67,71.5 75.5,71.5 76.5,71.5 77.5,71.5 78.5,71.5 64,72.5 65,72.5 66,72.5 67,72.5 75.5,72.5 76.5,72.5 77.5,72.5 78.5,72.5 118.3,72.5 64,73.5 65,73.5 66,73.5 67,73.5 75.5,73.5 76.5,73.5 77.5,73.5 78.5,73.5 113.35,74 118.3,74
  other v2: 26,31.5 27.1,31.5 26,32.8 26,34.1 27.1,34.1 37.2,34.4 37.9,34.4 38.6,34.4 39.3,34.4 37.2,35.1 37.9,35.1 38.6,35.1 39.3,35.1 26,35.6 27.1,35.6 26,37 27.1,37 38,37.8 38.7,37.8 39.4,37.8 26,38.3 38,38.5 38.7,38.5 39.4,38.5 38,39.2 38.7,39.2 39.4,39.2 26,39.6 27.1,39.6 26,41.1 27.1,41.1 26,42.5 27.1,42.5 38,43.3 38.7,43.3 39.4,43.3 26,43.8 38,44 38.7,44 39.4,44 38,44.7 38.7,44.7 39.4,44.7 26,45.1 27.1,45.1 26,46.5 27.1,46.5 26,48 27.1,48 38,48.8 38.7,48.8 39.4,48.8 26,49.3 38,49.5 38.7,49.5 39.4,49.5 38,50.2 38.7,50.2 39.4,50.2 26,50.6 27.1,50.6 26,52 27.1,52 26,53.5 27.1,53.5 38,54.3 38.7,54.3 39.4,54.3 26,54.8 38,55 38.7,55 39.4,55 82.404,55.353 38,55.7 38.7,55.7 39.4,55.7 26,56.1 27.1,56.1 83.3,57.1 84.7,57.1 26,57.6 27.1,57.6 89.5,58.4 26,59 27.1,59 86.6,59.3 87.4,59.3 88.6,59.3 38,59.8 38.7,59.8 39.4,59.8 26,60.3 38,60.5 38.7,60.5 39.4,60.5 38,61.2 38.7,61.2 39.4,61.2 26,61.6 27.1,61.6
HIN1_U: R18.2 U6.7 | length 2
  Top Layer w0.3: U6.7@47.4,58.7 R18.2@49.35,58.7
HIN1_V: R20.2 U7.7 | length 2
  Top Layer w0.3: U7.7@47.4,53.2 R20.2@49.35,53.2
HIN1_W: R22.2 U8.7 | length 2
  Top Layer w0.3: U8.7@47.4,47.7 R22.2@49.35,47.7
HIN2_U: R34.2 U9.7 | length 2
  Top Layer w0.3: U9.7@47.4,42.2 R34.2@49.35,42.2
HIN2_V: R36.2 U10.7 | length 2
  Top Layer w0.3: U10.7@47.4,36.725 R36.2@49.35,36.725
HIN2_W: R38.2 U11.7 | length 19.4
  Top Layer w0.3: U11.7@34.4,26.9 v1(36.1,26.9) ; v1(48.35,33.2) R38.2@49.35,33.2
  Bottom Layer w0.2: v1(36.1,26.9) 36.1,30 38.4,32.3 47.45,32.3 v1(48.35,33.2)
HO1_U: R24.1 U6.4 | length 7.4
  Top Layer w0.3: v1(43.7,58.7) U6.4@44.6,58.7
  Top Layer w0.4: R24.1@37.25,58.7 v1(41.7,58.7)
  Bottom Layer w0.4: v1(41.7,58.7) v1(43.7,58.7)
HO1_V: R25.1 U7.4 | length 7.4
  Top Layer w0.3: v1(43.7,53.2) U7.4@44.6,53.2
  Top Layer w0.4: R25.1@37.25,53.2 v1(41.7,53.2)
  Bottom Layer w0.4: v1(41.7,53.2) v1(43.7,53.2)
HO1_W: R26.1 U8.4 | length 7.4
  Top Layer w0.3: v1(43.7,47.7) U8.4@44.6,47.7
  Top Layer w0.4: R26.1@37.25,47.7 v1(41.7,47.7)
  Bottom Layer w0.4: v1(41.7,47.7) v1(43.7,47.7)
HO2_U: R40.1 U9.4 | length 7.4
  Top Layer w0.3: v1(43.7,42.2) U9.4@44.6,42.2
  Top Layer w0.4: R40.1@37.25,42.2 v1(41.7,42.2)
  Bottom Layer w0.4: v1(41.7,42.2) v1(43.7,42.2)
HO2_V: R41.1 U10.4 | length 7.4
  Top Layer w0.3: v1(43.7,36.725) U10.4@44.6,36.725
  Top Layer w0.4: R41.1@37.25,36.7 v1(41.7,36.7)
  Bottom Layer w0.4: v1@41.7,36.725 v1(43.7,36.725)
HO2_W: R42.1 U11.4 | length 7.4
  Top Layer w0.3: v1(30.7,26.9) U11.4@31.6,26.9
  Top Layer w0.4: v1(35.1,29.9) R42.1@36,29.9
  Bottom Layer w0.3: v1(30.7,26.9) 33.7,29.9 v1(35.1,29.9)
ISEN1_U: Q3.S2 R30.2 R50.1 | length 97.6
  Top Layer w0.3: R50.1@107.804,73.079 v1(107.804,73.768)
  Top Layer w0.5: v1(28.8,60.3) R30.2@29.75,60.3
  Bottom Layer w0.2: v1(28.8,60.3) 28.8,60.276 28.55,60.026 28.55,59.545 29.095,59 40.1,59 42.55,61.45 50.55,61.45 53.139,58.861 78.653,58.861 79.83,57.684 82.107,57.684 85.722,61.3 105.6,61.3 108.244,63.944 108.244,73.328 v1(107.804,73.768)
ISEN1_V: Q4.S2 R31.2 R53.1 | length 87.9
  Top Layer w0.381: v1(106.89,53.35) R53.1@107.79,53.35
  Top Layer w0.5: v1(28.8,54.8) R31.2@29.75,54.8
  Bottom Layer w0.2: v1(28.8,54.8) 28.8,54.776 28.55,54.526 28.55,54.045 29.095,53.5 40.15,53.5 41.85,55.2 46.5,55.2 47.25,55.95 55.65,55.95 57,57.3 73.091,57.3 74.149,56.242 80.245,56.242 83.637,52.85 108.183,52.85 108.3,52.967 108.3,53.233 108.183,53.35 v1(106.89,53.35)
ISEN1_W: Q5.S2 R32.2 R67.1 | length 99
  Top Layer w0.3: v1(117.748,45.987) R67.1@117.748,46.887
  Top Layer w0.5: v1(28.8,49.3) R32.2@29.75,49.3
  Bottom Layer w0.2: v1(28.8,49.3) 28.8,49.276 28.55,49.026 28.55,48.545 29.045,48.05 40.2,48.05 41.85,49.7 46.5,49.7 47.9,51.1 104.9,51.1 106.1,49.9 118.2,49.9 118.624,49.476 118.624,47.676 118.249,47.301 117.865,47.301 117.748,47.184 v1(117.748,45.987)
ISEN2_U: Q6.S2 R46.2 R64.1 | length 77.6
  Top Layer w0.3: v1(97.133,46.887) R64.1@98.033,46.887
  Top Layer w0.5: v1(28.8,43.8) R46.2@29.75,43.8
  Bottom Layer w0.2: v1(28.8,43.8) 28.8,43.776 28.55,43.526 28.55,43.045 29.045,42.55 40.2,42.55 41.85,44.2 46.5,44.2 47.25,44.95 51.215,44.95 55.315,49.05 97.478,49.05 98.19,48.338 98.19,47.686 97.878,47.374 97.62,47.374 v1@97.141,46.895
ISEN2_V: Q7.S2 R47.2 R81.1 | length 102.9
  Top Layer w0.3: v1(117.748,39.887) R81.1@117.748,40.787
  Top Layer w0.5: v1(28.8,38.3) R47.2@29.75,38.3
  Bottom Layer w0.2: v1(28.8,38.3) 28.8,38.276 28.55,38.026 28.55,37.545 29.045,37.05 40.2,37.05 42.1,38.95 47.05,38.95 55.3,47.2 94.8,47.2 96.1,45.9 103.795,45.9 105.795,43.9 118.08,43.9 118.631,43.349 118.631,41.554 118.277,41.2 117.865,41.2 117.748,41.083 v1(117.748,39.887)
ISEN2_W: Q8.S2 R48.2 R78.1 | length 82.7
  Top Layer w0.3: v1(98.033,39.887) R78.1@98.033,40.787
  Top Layer w0.5: v1(28.8,32.8) R48.2@29.75,32.8
  Bottom Layer w0.2: v1(28.8,32.8) 28.8,32.776 28.55,32.526 28.55,32.045 28.745,31.85 35.85,31.85 37.75,33.75 45.9,33.75 47.5,35.35 54.55,35.35 59.35,40.15 86.95,40.15 90.7,43.9 98.4,43.9 99.1,43.2 99.1,41.6 98.7,41.2 98.15,41.2 98.033,41.083 v1(98.033,39.887)
KEY: R15.2 U5.2 | length 29.3
  Top Layer w0.2: U5.2@83.95,39.25 87.406,39.25 87.992,38.663 87.992,36.938 89.23,35.7 102,35.7 104.55,33.15 R15.2@104.55,28
LED0: R16.2 U5.26 | length 24.6
  Top Layer w0.2: U5.26@77.65,48.05 77.65,49.037 cw(c78.404,49.038) 77.872,49.572 81.5,53.2 94.399,53.2 96.511,55.312 96.511,56.439 R16.2@95.864,57.086
LED1: R17.2 U5.27 | length 22.7
  Top Layer w0.2: U5.27@77.15,48.05 77.15,49.137 ; 77.15,49.138 cw(c77.904,49.138) 77.371,49.671 81.3,53.6 93.55,53.6 R17.2@95.85,55.9
LIN1_U: R19.2 U6.8 | length 2.2
  Top Layer w0.3: U6.8@47.4,59.2 48.1,59.2 48.519,59.619 49.169,59.619 R19.2@49.35,59.8
LIN1_V: R21.2 U7.8 | length 2.2
  Top Layer w0.3: U7.8@47.4,53.7 48.1,53.7 48.519,54.119 49.169,54.119 R21.2@49.35,54.3
LIN1_W: R23.2 U8.8 | length 2.2
  Top Layer w0.3: U8.8@47.4,48.2 48.1,48.2 48.519,48.619 49.169,48.619 R23.2@49.35,48.8
LIN2_U: R35.2 U9.8 | length 2.2
  Top Layer w0.3: U9.8@47.4,42.7 48.1,42.7 48.519,43.119 49.169,43.119 R35.2@49.35,43.3
LIN2_V: R37.2 U10.8 | length 2.2
  Top Layer w0.3: U10.8@47.4,37.225 48.1,37.225 48.519,37.644 49.169,37.644 R37.2@49.35,37.825
LIN2_W: R39.2 U11.8 | length 19.2
  Top Layer w0.3: U11.8@34.4,27.4 35.346,27.4 35.546,27.6 v1(35.6,27.6) ; v1(48.35,34.3) R39.2@49.35,34.3
  Bottom Layer w0.2: v1(35.6,27.6) 35.6,30 38.4,32.8 46.85,32.8 v1(48.35,34.3)
LO1_U: R27.1 U6.10 | length 22.8
  Top Layer w0.3: U6.10@47.4,60.201 U6.10@47.6,60.201 ; U6.10@47.6,60.2 v1(48.3,60.2)
  Top Layer w0.4: v1(28.7,57.9) R27.1@28.7,58.7
  Bottom Layer w0.4: v1(28.7,57.9) 47,57.9 48.3,59.2 v1(48.3,60.2)
LO1_V: R28.1 U7.10 | length 22.8
  Top Layer w0.3: U7.10@47.4,54.701 U7.10@47.6,54.701 ; U7.10@47.6,54.7 v1(48.3,54.7)
  Top Layer w0.4: v1(28.7,52.4) R28.1@28.7,53.2
  Bottom Layer w0.4: v1(28.7,52.4) 47,52.4 48.3,53.7 v1(48.3,54.7)
LO1_W: R29.1 U8.10 | length 22.8
  Top Layer w0.3: U8.10@47.4,49.201 U8.10@47.6,49.201 ; U8.10@47.6,49.2 v1(48.3,49.2)
  Top Layer w0.4: v1(28.7,46.9) R29.1@28.7,47.7
  Bottom Layer w0.4: v1(28.7,46.9) 47,46.9 48.3,48.2 v1(48.3,49.2)
LO2_U: R43.1 U9.10 | length 22.8
  Top Layer w0.3: U9.10@47.4,43.701 U9.10@47.6,43.701 ; U9.10@47.6,43.7 v1(48.3,43.7)
  Top Layer w0.4: v1(28.7,41.4) R43.1@28.7,42.2
  Bottom Layer w0.4: v1(28.7,41.4) 47,41.4 48.3,42.7 v1(48.3,43.7)
LO2_V: R44.1 U10.10 | length 22.8
  Top Layer w0.3: U10.10@47.4,38.226 U10.10@47.6,38.226 ; U10.10@47.6,38.225 v1(48.3,38.225)
  Top Layer w0.4: v1(28.7,35.9) R44.1@28.7,36.7
  Bottom Layer w0.4: v1(28.7,35.9) 46.975,35.9 48.3,37.225 v1(48.3,38.225)